# Altium PCB GSHT_V1.4_PCB.PcbDoc (part 1 of 2)
Units mm, origin at the board's own origin, x right, y up, seen from the top; angles counter-clockwise.
Board outline 120 x 75 mm, 2 copper layers (Top Layer, Bottom Layer); 213 components, 150 nets, 701 pads, 379 vias.
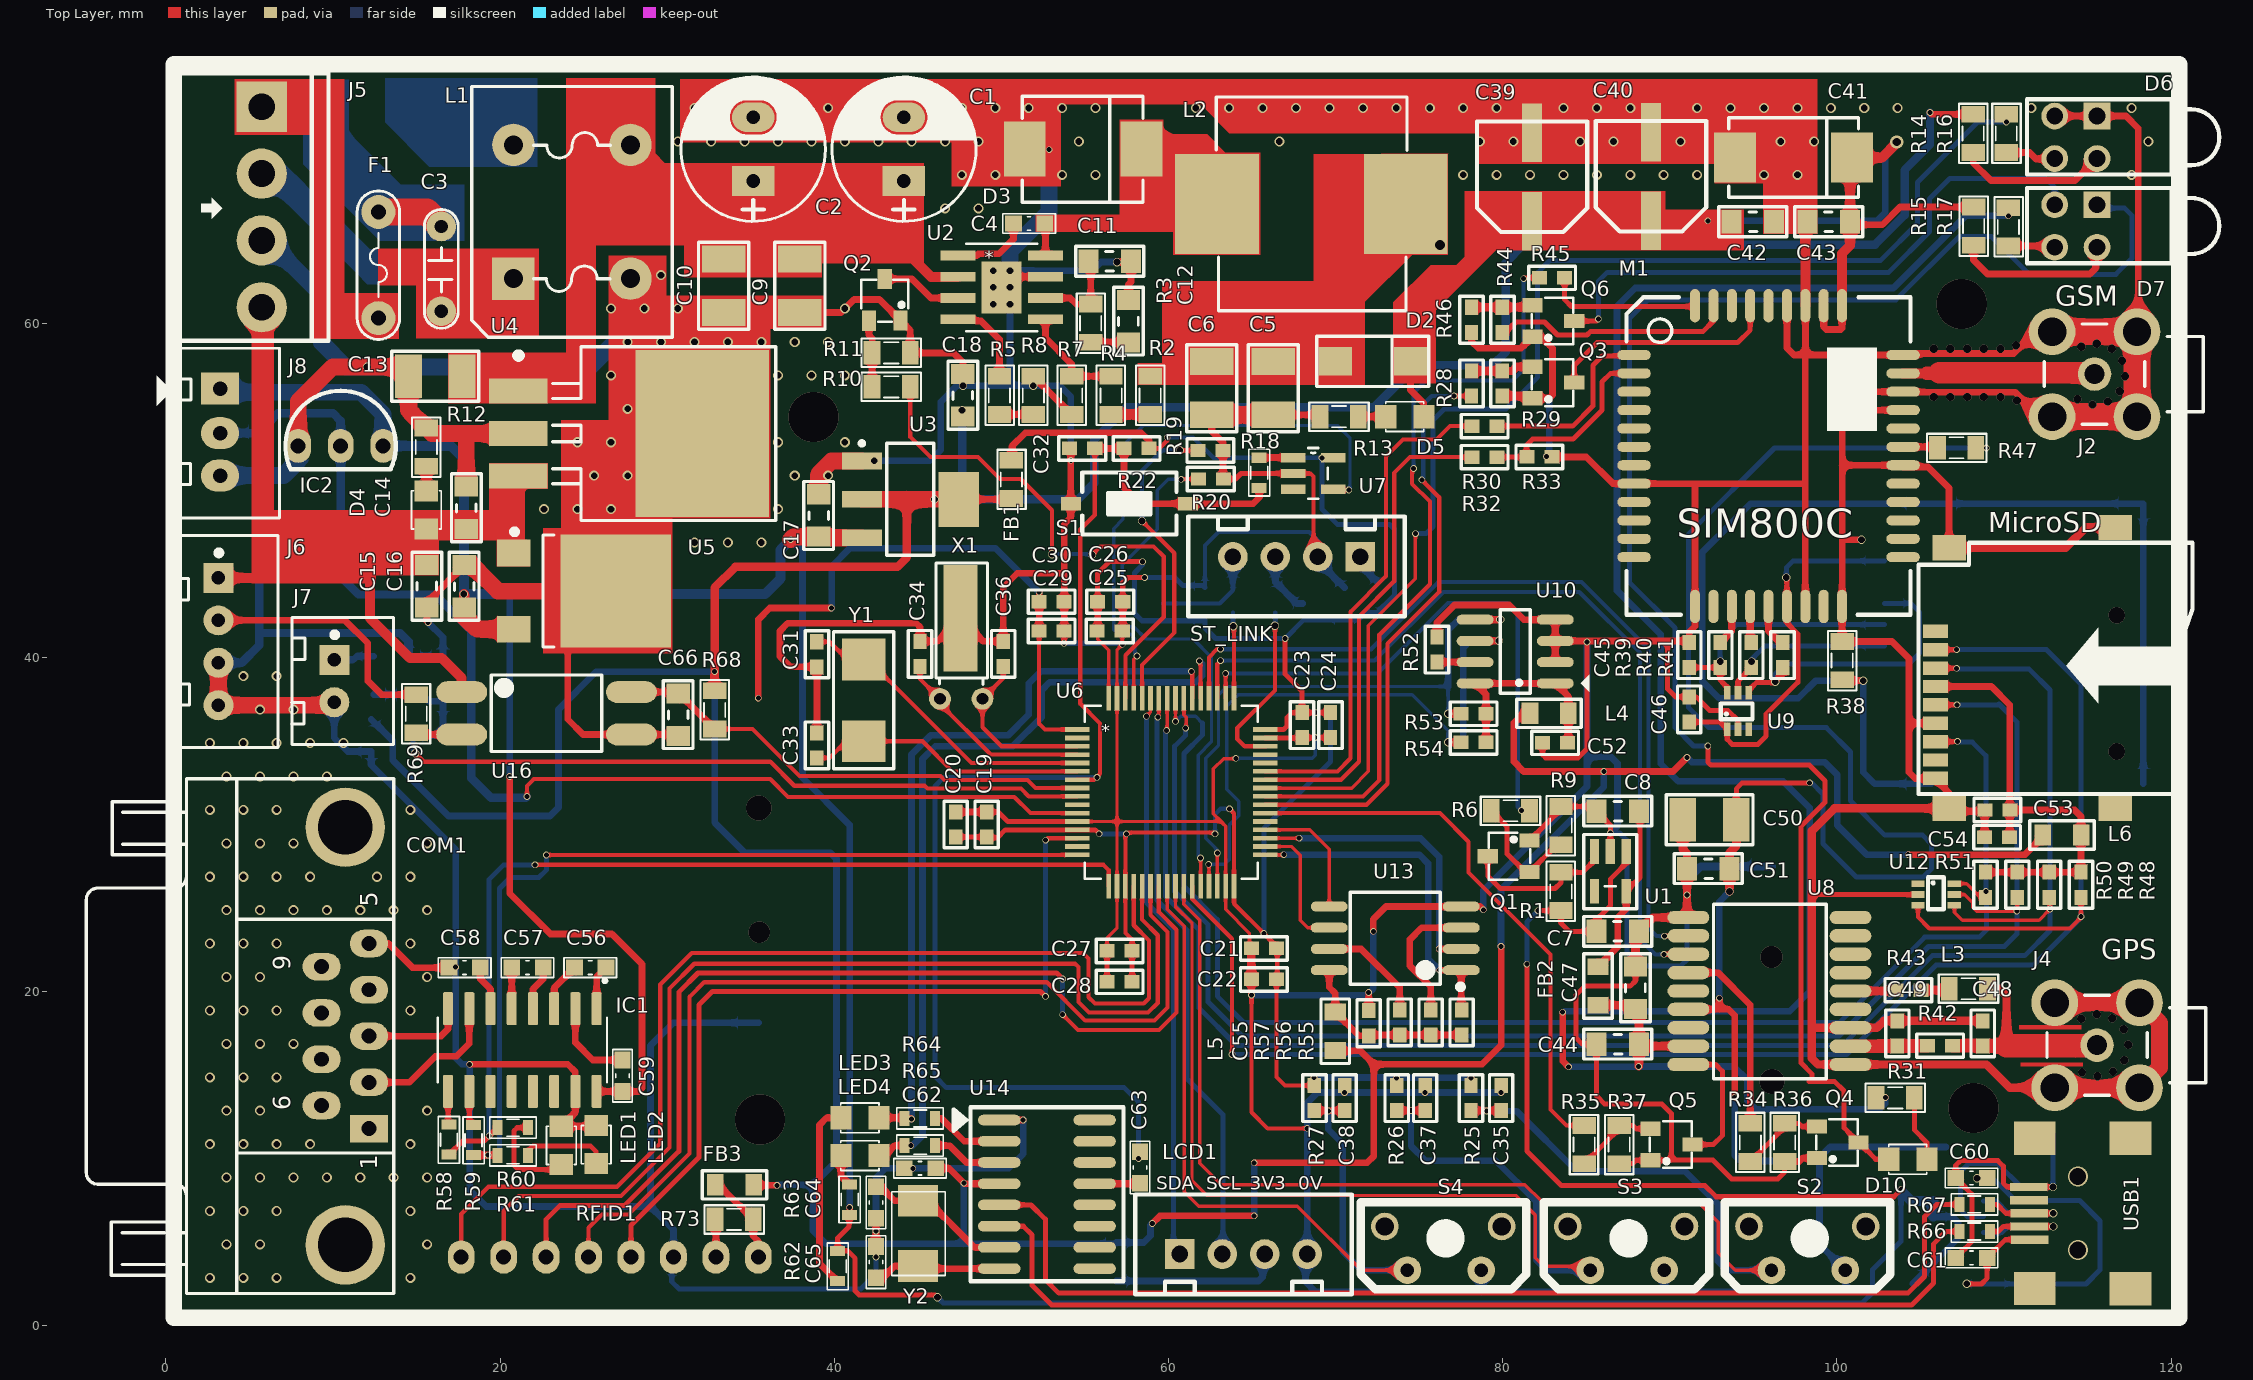
[diagram p0: Top Layer view]
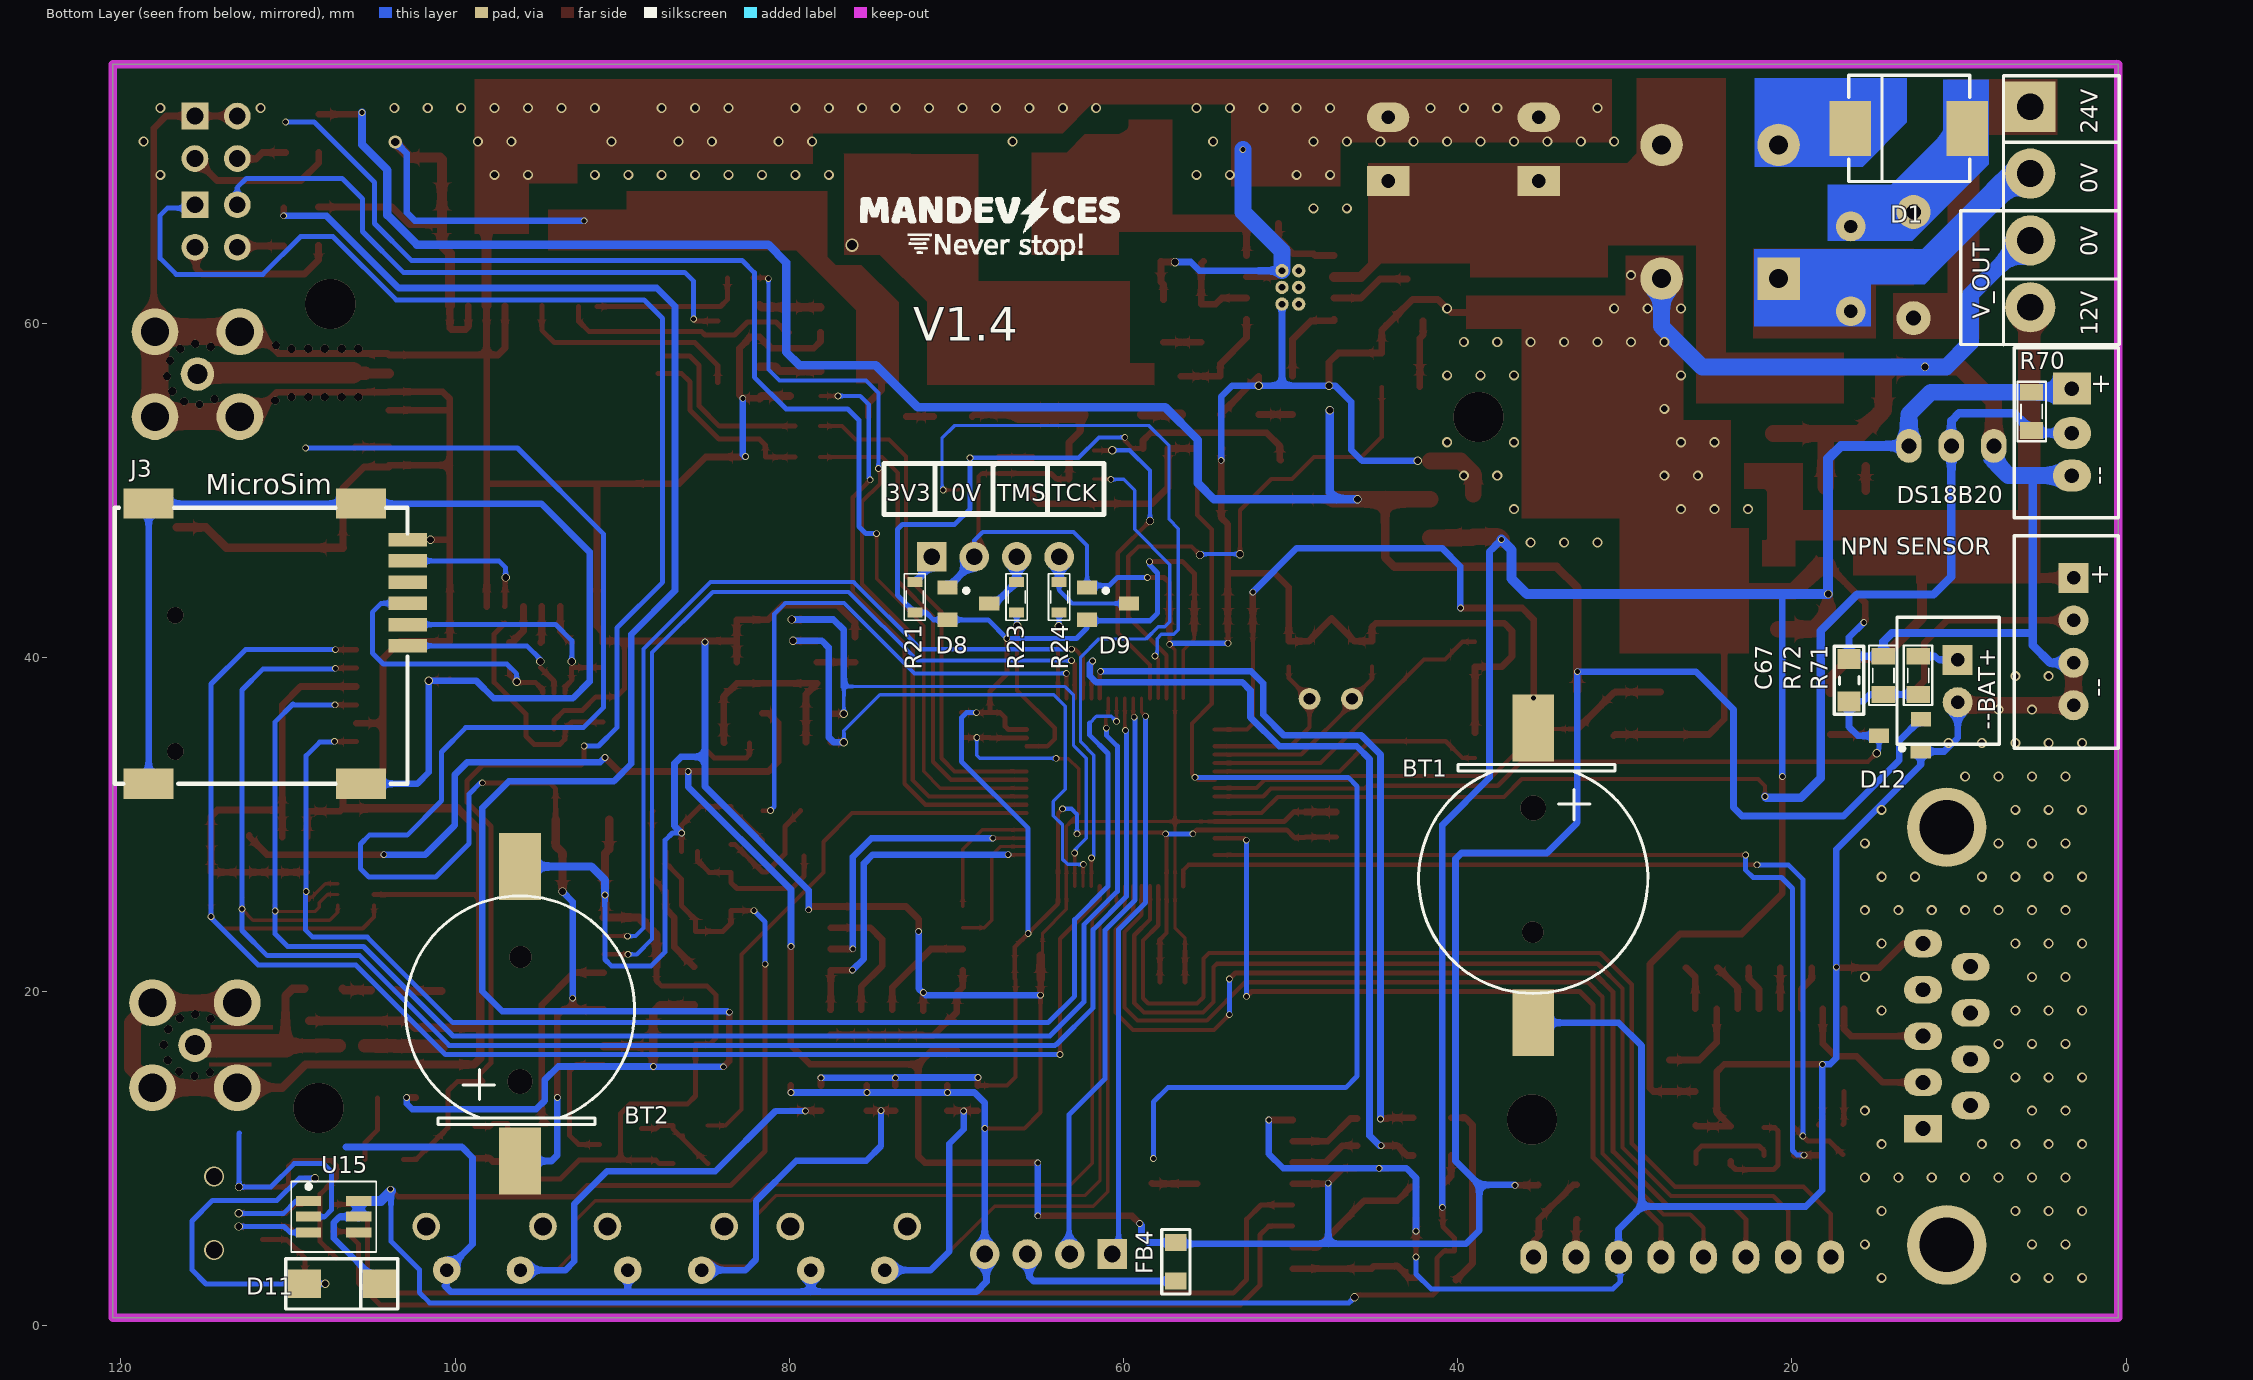
[diagram p1: Bottom Layer view, seen from below]

## Layer stack, top to bottom
Top Solder: solder mask 0.0102, Solder Resist, Dk 3.5
Top Layer: signal copper 0.0356
Dielectric 1: dielectric 0.32, FR-4, Dk 4.8
Bottom Layer: signal copper 0.0356
Bottom Solder: solder mask 0.0102, Solder Resist, Dk 3.5

## Board outline
0.483,0.489 0.483,75.489 120.483,75.489 120.483,0.489

## Design rules (kind name [scope] priority, off if disabled: settings)
Clearance [All] p1: gap=0.254 ignorepadtopadclearanceinfootprint=FALSE except(0: Arc-Hole Track-Hole SMDPad-Hole THPad-Hole Via-Hole Fill-Hole Poly-Hole Region-Hole Text-Hole; 0.508: Arc-Fill Arc-Poly Arc-Region Track-Fill Track-Poly Track-Region SMDPad-Fill SMDPad-Poly SMDPad-Region THPad-Fill THPad-Poly THPad-Region Via-Fill Via-Poly Via-Region Fill-Fill Fill-Poly Fill-Region Poly-Poly Poly-Region Region-Region)
PolygonConnect [All] p1: connectstyle=Direct reliefconductorwidth=0.254 reliefentries=4 polygonreliefangle="90 Angle" airgapwidth=0.254
RoutingVias [All] p1: holewidth=0.3 width=0.4 viastyle="Through Hole" minholewidth=0.3 minwidth=0.4 maxholewidth=0.5 maxwidth=0.8
SolderMaskExpansion [All] p1: expansion=0.102
Width [All] p1: maxlimit=1.6 minlimit=0.2 preferedwidth=0.4
30 further rules are at their usual default settings.

## Classes and differential pairs
component class U_[07]RFID_LCD: FB3 FB4 LCD1 R73 R74
component class U_[06]IN_OUT: C66 C67 D12 IC2 J5 J6 J7 J8 R68 R69 R70 R71 R72 U16
component class U_[05]RS232_USB: C56 C57 C58 C59 C60 C61 C62 C63 C64 C65 COM1 D11 IC1 L LED2 LED3 LED4 R58 R59 R60 R61 R62 R63 R64 R65 R66 R67 U14 U15 USB1 Y2
component class U_[04]EEPROM_FLASH: C52 C53 C54 C55 L4 L5 L6 MicroSD R48 R49 R50 R51 R52 R53 R54 R55 R56 R57 U10 U12 U13
component class U_[03]GSM_GPRS_GPS: BT2 C39 C40 C41 C42 C43 C44 C45 C46 C47 C48 C49 C50 C51 D10 FB2 J2 J3 J4 L3 M1 Q3 Q4 Q5 Q6 R28 R29 R30 R31 R32 R33 R34 R35 R36 R37 R38 R39 R40 R41 R42 R43 R44 R45 R46 R47 U8 U9
component class U_[02]MCU: BT1 C19 C20 C21 C22 C23 C24 C25 C26 C27 C28 C29 C30 C31 C32 C33 C34 C35 C36 C37 C38 D6 D7 D8 D9 FB1 R14 R15 R16 R17 R18 R19 R20 R21 R22 R23 R24 R25 R26 R27 S1 S2 S3 S4 ST_LINK U6 U7 X1 Y1
component class U_[01]PowerSupply: C1 C2 C3 C4 C5 C6 C7 C8 C9 C10 C11 C12 C13 C14 C15 C16 C17 C18 D1 D2 D3 D4 D5 F1 L1 L2 Q1 Q2 R1 R2 R3 R4 R5 R6 R7 R8 R9 R10 R11 R12 R13 U1 U2 U3 U4 U5

## Components (designator, comment, footprint, x,y, rotation, side; value= is the part's Value field where it differs from the comment)
BT1 "PIN 3V" "CR1220 SMD" 35.712,27.102 r0 bottom
BT2 "PIN 3V" "CR1220 SMD" 95.885,18.517 r180 bottom
C1 "100uF/100V" CP1.5/3.4 44.171,68.504 r90 top value=100uF/35V/50V
C2 "100uF/100V" CP1.5/3.4 35.154,68.504 r90 top value=100uF/35V/50V
C3 "5D330K 33V" CN2 16.485,60.706 r90 top value=0,1uF/300V
C4 "104" CAP_0603 51.664,65.964 r0 top value=103
C5 "47uF" SM-1210 66.269,54.509 r90 top value=103
C6 "47uF" SM-1210 62.586,54.509 r90 top value=103
C7 "1uF" CAP_0805 86.882,23.581 r180 top value=103
C8 "1uF" CAP_0805 86.882,30.82 r0 top value=103
C9 "2.2uF/100V" SM-1210 37.948,60.63 r90 top value=103
C10 "2.2uF/100V" SM-1210 33.376,60.63 r90 top value=103
C11 "39pF" CAP_0805 56.49,63.678 r180 top value=103
C12 "6800pF" CAP_0805 57.633,60.122 r270 top value=103
C13 "2.2uF/100V" SM-1210 14.529,56.82 r0 top value=103
C14 "104" CAP_0805 18.009,48.946 r270 top value=103
C15 "10uF/25V" CAP_0805 15.596,44.247 r90 top value=103
C16 "10uF/25V" CAP_0805 17.882,44.247 r270 top value=103
C17 "10uF/16V" CAP_0805 39.091,48.489 r270 top value=103
C18 "10uF/16V" CAP_0805 47.727,55.677 r270 top value=103
C19 "1uF" "C0603 SMT" 49.124,29.997 r270 top value=103
C20 "104" "C0603 SMT" 47.269,29.997 r270 top value=103
C21 "10uF" "C0603 SMT" 65.71,22.581 r0 top value=103
C22 "104" "C0603 SMT" 65.71,20.726 r0 top value=103
C23 "10uF" "C0603 SMT" 67.996,35.941 r90 top value=103
C24 "104" "C0603 SMT" 69.698,35.941 r90 top value=103
C25 "10uF" "C0603 SMT" 56.485,41.58 r180 top value=103
C26 "104" "C0603 SMT" 56.515,43.332 r180 top value=103
C27 "10uF" "C0603 SMT" 57.074,22.433 r0 top value=103
C28 "104" "C0603 SMT" 57.074,20.579 r0 top value=103
C29 "104" "C0603 SMT" 53.011,41.58 r180 top value=103
C30 "1uF" "C0603 SMT" 53.011,43.332 r180 top value=103
C31 "22pF" "C0603 SMT" 38.964,40.183 r270 top value=103
C32 "1uF" "C0603 SMT" 54.839,52.502 r180 top value=103
C33 "22pF" "C0603 SMT" 38.964,34.734 r90 top value=103
C34 "10pF" "C0603 SMT" 45.136,40.208 r90 top value=103
C35 "1uF" "C0603 SMT" 79.908,13.626 r90 top value=103
C36 "10pF" "C0603 SMT" 50.114,40.208 r90 top value=103
C37 "1uF" "C0603 SMT" 75.362,13.626 r90 top value=103
C38 "1uF" "C0603 SMT" 70.543,13.626 r90 top value=103
C39 "470uF/6V3" C_Alu_6.3x7.7 81.763,66.091 r180 top value=10uF/50V
C40 "470uF/6V3" C_Alu_6.3x7.7 88.875,66.125 r180 top value=10uF/50V
C41 "100uF/16V" C_7343_40 100.909,69.901 r180 top value=10uF/50V
C42 "104" CAP_0805 94.971,66.091 r0 top value=103
C43 "10nF" CAP_0805 99.517,66.04 r180 top value=103
C44 "104" CAP_0805 86.882,16.881 r0 top value=103
C45 "22pF" "C0603 SMT" 91.171,40.138 r90 top value=103
C46 "104" "C0603 SMT" 91.161,36.884 r90 top value=103
C47 "10uF" CAP_0805 87.973,20.231 r270 top value=103
C48 "NM" "C0603 SMT" 108.727,17.501 r270 top value=103
C49 "NM" "C0603 SMT" 103.618,17.501 r270 top value=103
C50 "4.uF" SM-1210 90.78,30.277 r0 top value=103
C51 "104" CAP_0805 92.304,27.381 r0 top value=103
C52 "104" "C0603 SMT" 83.134,34.885 r0 top value=103
C53 "104" "C0603 SMT" 109.601,30.861 r0 top value=103
C54 "104" "C0603 SMT" 109.59,29.235 r0 top value=103
C55 "104" "C0603 SMT" 71.984,18.104 r90 top value=103
C56 "104" CAP_0603 25.4,21.431 r180 top value=33p
C57 "104" CAP_0603 21.641,21.431 r0 top value=33p
C58 "104" CAP_0603 17.882,21.431 r180 top value=33p
C59 "104" CAP_0603 27.33,14.961 r270 top value=33p
C60 "104" CAP_0603 108.052,8.837 r0 top value=33p
C61 "10uF" CAP_0603 108.052,4.065 r0 top value=33p
C62 "104" CAP_0603 45.136,9.423 r0 top value=33p
C63 "104" CAP_0603 58.293,9.474 r90 top value=33p
C64 "22pF" CAP_0603 42.495,7.378 r270 top value=33p
C65 "22pF" CAP_0603 42.495,3.811 r90 top value=33p
C66 "100pF" CAP_0805 30.683,36.576 r270 top value=33p
C67 "100pF" CAP_0805 16.561,38.633 r270 bottom value=103
COM1 "COM 9 FMALE" "DSB 9-F" 10.742,17.335 r90 top value="COM 9"
D1 "B560C-13-F" "DO-214AB SMC" 9.61,71.653 r0 bottom value=1N5408
D2 "B340-13-F" "DO-214AB SMA" 70.079,57.709 r0 top value=1N4007
D3 "B560C-13-F" "DO-214AB SMC" 51.495,70.409 r0 top value=1N5408
D4 "PWR_12V" LED-0805-Yellow 15.596,47.676 r90 top value="LED 3 ly Single Colour"
D5 "PWR_4V" LED-0805-Green 75.286,54.407 r180 top value="LED 3 ly Single Colour"
D6 "LED3mm" "LED 2 holder 3mm" 115.57,72.39 r180 top value="LED 3 ly Single Colour"
D7 "LED3mm" "LED 2 holder 3mm" 115.57,67.081 r180 top value="LED 3 ly Single Colour"
D8 "DIODE-BAV99" SOT23 69.286,43.231 r270 bottom
D9 "DIODE-BAV99" SOT23 60.935,43.231 r270 bottom
D10 "GPS" LED-0805-Red 105.385,9.957 r180 top value="LED 3 ly Single Colour"
D11 "1N5819" "DO-214AB SMA" 108.941,2.506 r180 bottom value=1N4007
D12 "DIODE-BAV99" SOT23 13.538,35.306 r90 bottom
F1 "RKEF300HF-ND" FUSE2 12.725,60.3 r90 top value=Fuse
FB1 "BLM21PG600SN1D" RES-SMD-0805 50.597,50.648 r90 top
FB2 "BLM21PG600SN1D" R0805 85.714,20.358 r270 top
FB3 "BLM21PG600SN1D" R0805 34.054,8.422 r180 top
FB4 "BLM21PG600SN1D" R0805 56.86,3.854 r270 bottom
IC1 "MAX232" MAX232DR 21.387,16.473 r270 top
IC2 "DS18B20" TO92 10.465,52.654 r270 top
J2 "GPS_ANTENNA" Antenna-MCX5.08-H5 115.418,56.947 r180 top
J3 "SIM MICRO PUSH" MICROSIM_PUSH 112.09,40.589 r90 bottom
J4 "GPS_ANTENNA" Antenna-MCX5.08-H5 115.57,16.789 r180 top
J5 "PWR" Hed4V_3.96 5.74,72.948 r270 top value="Header 4"
J6 "NPN_SENSOR" CON_2.54mm_4 3.15,44.755 r270 top value="Connector 4"
J7 "V_IN" CON_2.54mm_2 10.084,39.853 r270 top value="Connector 2"
J8 "DS18B20(1)" Header3 3.251,55.956 r270 top
L1 "L" "L2 UF9.8" 20.803,62.662 r0 top value="Loc 220"
L2 "6.8uH" "L01 SMD 12*12*6" 68.555,67.132 r0 top value="150 mH"
L3 "47nH" RES-SMD-0805 107.874,20.168 r180 top value="150 mH"
L4 "100uH" R0805 82.753,36.663 r0 top
L5 "100uH" R0805 69.966,17.596 r90 top
L6 "100uH" R0805 113.443,29.373 r0 top
LCD1 "OLED 1.3" CON_4P 60.681,4.293 r0 top
LED1 "LED" LED-0805-Green 23.673,9.652 r90 top value="LED 3 ly Single Colour"
LED2 "LED" LED-0805-Green 25.756,9.703 r90 top value="LED 3 ly Single Colour"
LED3 "LED" LED-0805-Green 40.398,12.446 r0 top value="LED 3 ly Single Colour"
LED4 "LED" LED-0805-Green 40.398,10.185 r0 top value="LED 3 ly Single Colour"
M1 "SIM800C" SIM800C 95.91,52.045 r0 top
MicroSD "SD_CARD" MICROSD2 110.947,39.37 r270 top (schematic designator U11)
Q1 "C1815" SOT23B 80.357,28.102 r90 top
Q2 "C1815" SOT23B 43.028,61.392 r0 top
Q3 "C1815" SOT23B 83.033,56.439 r270 top
Q4 "C1815" SOT23B 100.051,10.973 r270 top
Q5 "C1815" SOT23B 90.103,10.846 r270 top
Q6 "C1815" SOT23B 83.033,60.122 r270 top
R1 "10K" RES-SMD-0805 83.49,25.994 r270 top value=1K
R2 "22K" RES-SMD-0805 58.903,55.677 r90 top value=1K
R3 "10K" RES-SMD-0805 55.347,59.995 r90 top value=1K
R4 "22K" RES-SMD-0805 56.566,55.677 r270 top value=1K
R5 "100K" RES-SMD-0805 49.886,55.677 r90 top value=1K
R6 "1K" RES-SMD-0805 80.467,30.82 r0 top
R7 "10K" RES-SMD-0805 54.204,55.677 r90 top value=1K
R8 "100K" RES-SMD-0805 51.918,55.677 r270 top value=1K
R9 "100K" RES-SMD-0805 83.49,29.931 r270 top value=1K
R10 "4.7K" RES-SMD-0805 43.409,56.185 r180 top value=1K
R11 "47K" RES-SMD-0805 43.409,58.217 r180 top value=1K
R12 "4k7" RES-SMD-0805 15.596,52.578 r270 top value=1K
R13 "1K" RES-SMD-0805 70.206,54.407 r0 top
R14 "1K" RES-SMD-0805 108.153,71.349 r90 top
R15 "1K" RES-SMD-0805 108.179,65.801 r90 top
R16 "1K" RES-SMD-0805 110.134,71.349 r90 top
R17 "1K" RES-SMD-0805 110.261,65.761 r90 top
R18 "1K" RES-SMD-0603 65.43,51.054 r270 top
R19 "10K" "R0603 -SMT" 62.459,52.375 r180 top value=1K
R20 "10K" "R0603 -SMT" 62.484,50.673 r180 top value=1K
R21 "10R" RES-SMD-0603 72.492,43.612 r270 bottom value=1K
R22 "10K" "R0603 -SMT" 58.141,52.502 r0 top value=1K
R23 "10R" RES-SMD-0603 66.396,43.612 r270 bottom value=1K
R24 "10R" RES-SMD-0603 63.856,43.612 r270 bottom value=1K
R25 "10K" "R0603 -SMT" 78.105,13.677 r90 top value=1K
R26 "10K" "R0603 -SMT" 73.66,13.676 r90 top value=1K
R27 "10K" "R0603 -SMT" 68.732,13.676 r90 top value=1K
R28 "1K" "R0603 -SMT" 78.13,56.439 r90 top
R29 "47K" "R0603 -SMT" 79.985,56.439 r90 top value=1K
R30 "1K" "R0603 -SMT" 78.969,53.835 r0 top
R31 "1K" RES-SMD-0805 103.488,13.64 r180 top
R32 "1K" "R0603 -SMT" 78.969,51.98 r0 top
R33 "4.7K" "R0603 -SMT" 82.144,51.994 r180 top value=1K
R34 "1K" RES-SMD-0805 94.818,10.973 r270 top
R35 "1K" RES-SMD-0805 84.878,10.846 r270 top
R36 "100K" RES-SMD-0805 96.876,10.973 r90 top value=1K
R37 "100K" RES-SMD-0805 86.97,10.846 r90 top value=1K
R38 "1k" RES-SMD-0805 100.31,39.802 r90 top value=1K
R39 "51R" "R0603 -SMT" 93.025,40.183 r90 top value=1K
R40 "51R" "R0603 -SMT" 94.879,40.183 r90 top value=1K
R41 "51R" "R0603 -SMT" 96.749,40.183 r90 top value=1K
R42 "0R" "R0603 -SMT" 106.121,16.764 r180 top value=1K
R43 "0R" "R0603 -SMT" 104.228,20.082 r180 top value=1K
R44 "1K" "R0603 -SMT" 79.985,60.249 r90 top
R45 "1K" "R0603 -SMT" 82.906,62.713 r180 top
R46 "47K" "R0603 -SMT" 78.13,60.249 r90 top value=1K
R47 "0R" RES-SMD-0805 107.163,52.544 r0 top value=1K
R48 "10K" "R0603 -SMT" 114.605,26.441 r90 top value=1K
R49 "10K" "R0603 -SMT" 112.7,26.441 r90 top value=1K
R50 "10K" "R0603 -SMT" 110.795,26.441 r90 top value=1K
R51 "10K" "R0603 -SMT" 108.89,26.441 r90 top value=1K
R52 "10K" "R0603 -SMT" 76.073,40.513 r90 top value=1K
R53 "10K" "R0603 -SMT" 78.207,36.625 r180 top value=1K
R54 "10K" "R0603 -SMT" 78.207,34.911 r180 top value=1K
R55 "10K" "R0603 -SMT" 77.546,18.104 r270 top value=1K
R56 "10K" "R0603 -SMT" 75.692,18.104 r270 top value=1K
R57 "10K" "R0603 -SMT" 73.838,18.104 r270 top value=1K
R58 "1k" RES-SMD-0603 16.942,11.125 r90 top
R59 "1k" RES-SMD-0603 18.415,11.1 r90 top
R60 "1k" RES-SMD-0603 20.777,11.856 r180 top
R61 "1k" RES-SMD-0603 20.777,10.198 r180 top
R62 "1k" RES-SMD-0603 40.208,3.556 r90 top
R63 "1k" RES-SMD-0603 40.919,7.556 r270 top
R64 "1k" RES-SMD-0603 45.136,12.405 r180 top
R65 "1k" RES-SMD-0603 45.136,10.781 r180 top
R66 "22R" RES-SMD-0603 108.23,5.639 r0 top value=1K
R67 "22R" RES-SMD-0603 108.23,7.263 r0 top value=1K
R68 "10K" RES-SMD-0805 32.842,36.855 r90 top value=1K
R69 "1K" RES-SMD-0805 14.989,36.627 r270 top
R70 "4.7K" RES-SMD-0805 5.664,54.712 r90 bottom value=1K
R71 "1K 1%" RES-SMD-0805 12.446,38.924 r270 bottom value=1K
R72 "10K 1%" RES-SMD-0805 14.529,38.924 r270 bottom value=1K
R73 "10K" RES-SMD-0805 34.011,6.371 r0 top value=1K
RFID1 "RFID" "RFID RC522" 26.568,4.115 r0 top
S1 "SW-SMD" SW-SMD 57.658,49.2 r180 top
S2 "SW-SMD" "BUTTON NGHIENG" 97.866,3.581 r0 top
S3 "SW-SMD" "BUTTON NGHIENG" 87.02,3.581 r0 top
S4 "SW-SMD" "BUTTON NGHIENG" 76.073,3.581 r0 top
ST_LINK "ST_LINK" CON_4P 71.476,46.012 r180 top (schematic designator J1)
U1 "TLV70233DBVT" TLV70233_3.3V 87.39,28.382 r270 top
U2 "TPS54360DDA" DDA8_3P1X2P4-M 50.021,62.138 r0 top
U3 "TLV1117-33CDCYR" SOT223-4N 44.552,49.454 r0 top value=LM317
U4 "LM7812SX/NOPB" TO-263-4 21.106,53.391 r180 top value=LM7805
U5 "78M05" TO252-3L 25.121,43.962 r0 top value=LM7805
U6 "STM32F103RCT6" LQFP-64 60.173,31.928 r0 top
U7 "TPS3828" TPS3828 67.513,51.003 r0 top
U8 "GPS L70" "GPS L70" 91.113,24.433 r0 top
U9 "SMF05C" SOT_363_6 93.432,37.877 r90 top
U10 "AT24C256" SO-8 80.747,40.348 r180 top
U12 "SMF05C" SOT_363_6 107.031,26.456 r0 top
U13 "W25Q32JVSSIQ" "SO-8 208" 73.571,23.184 r180 top
U14 "CH340G" SO16 52.731,7.867 r0 top
U15 "SRV05" SOT23-6 107.266,6.528 r180 bottom
U16 "PC817" PC817x1SMD 17.704,37.922 r0 top
USB1 "USB" USB-B-Mini 111.836,6.731 r270 top
X1 "32,768 Khz" XT32kn 48.87,37.516 r90 top value=32,768khz
Y1 "8MHz" ABM7_v1_1_BIG 41.758,37.426 r90 top
Y2 "12MHz" XTAL-5032 45.009,5.501 r270 top
